# Allegro board BeagleBone_AI-64_Rev_B1_PCB_220602.brd (continued)
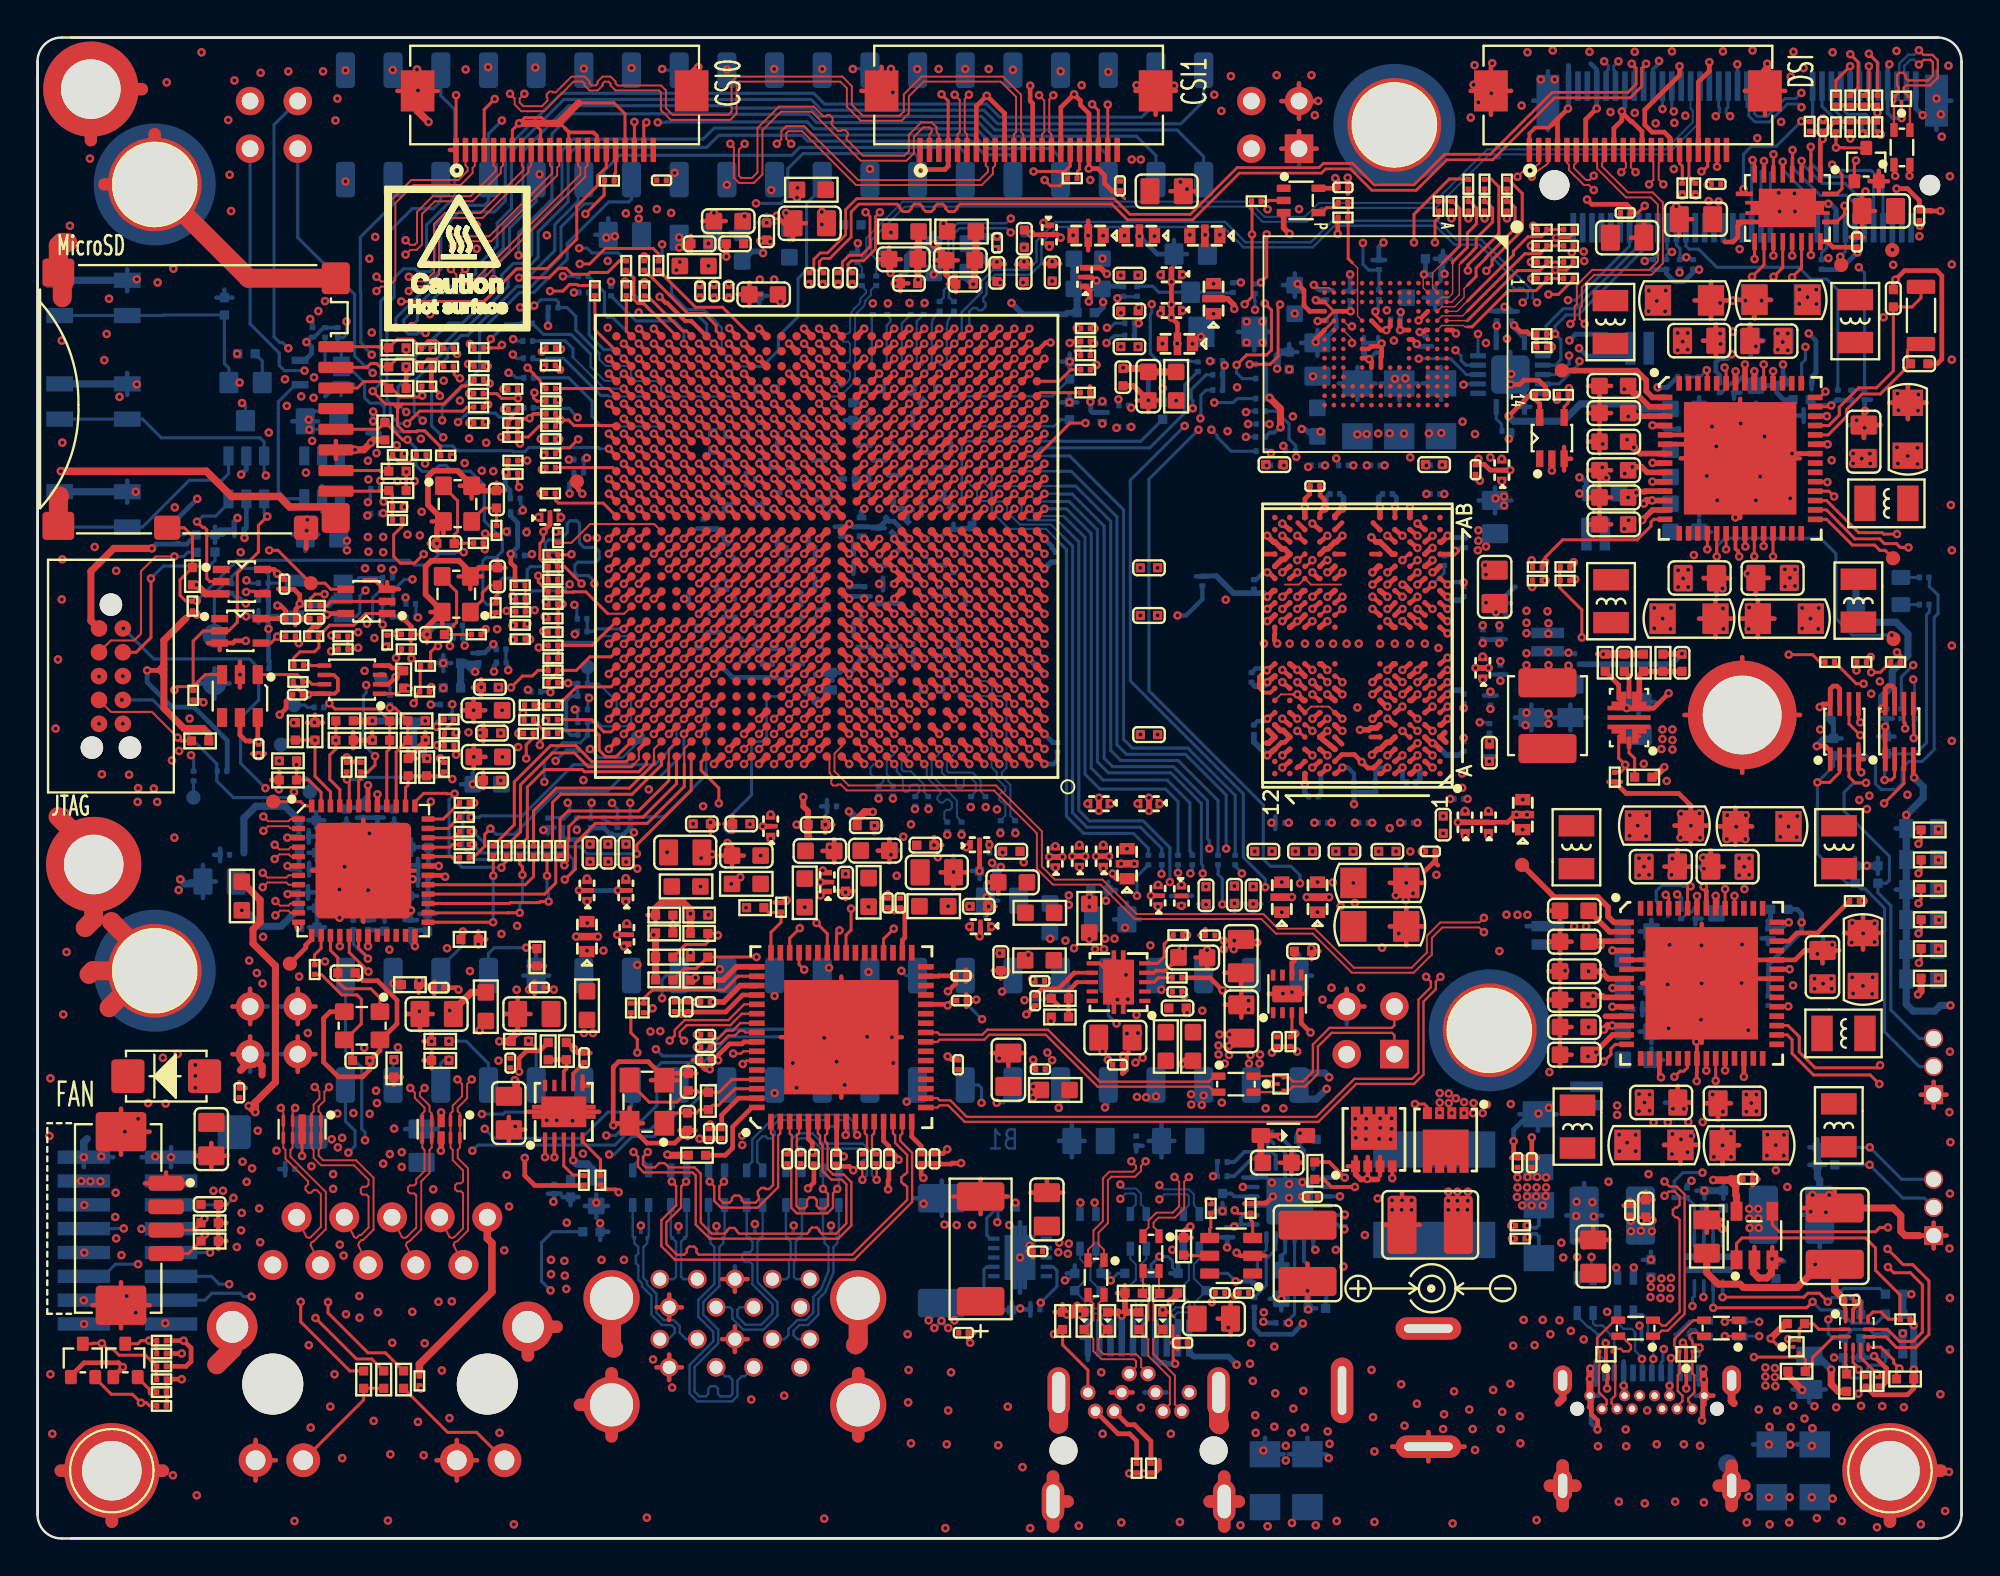
[diagram p0: board, top side]
## Routing (per net, layer and track width the routed paths; a pad name or vN(x,y) marks a point on that pad's centre or on a via; arc(x,y) is an arc through that point) (continued)
  BOTTOM w0.13: L30.1 v1(82.02,15)
USBC_SS_TX1_CONN_N: length 4.1
  BOTTOM w0.13: L28.2 87.99,11.59 D45.2 87.26,10.58 87.22,10.54 87.22,10.08 87.5,9.8 J5.A3 87.5,8.77
USBC_SS_TX1_CONN_P: length 4.1
  BOTTOM w0.13: 88,8.77 J5.A2 88,9.45 88.21,9.67 88.44,9.67 88.53,9.76 88.53,10 88.4,10.13 88.28,10.13 88.15,10.26 88.15,10.66 D45.3 87.94,11.02 88.07,11.15 88.31,11.15 88.71,10.74 L28.3
USBC_SS_TX1_N: length 94.3
  L12-SIGNAL w0.122: v1(91.72,11.55) 91.51,11.35 91.11,11.35 90.83,11.62 90.83,13.05 90.12,13.76 89.15,13.76 88.14,14.77 88.14,15.89 86.36,17.67 84.38,17.67 82.73,19.32 82.73,23.33 82.19,23.87 82.19,30.4 80.03,32.56 80.03,49.7 79.12,50.61 79.12,57.36 78.2,58.28 76.55,58.28 73.48,61.36 71.08,61.36 68.98,63.45 68.98,65.03 68.47,65.55 67.65,65.55 65.16,68.04 58.32,68.04 57.35,69 55.9,69 54.58,67.68 53.78,67.68 53.71,67.61 48.94,67.61 48.04,66.72 47.03,66.72 46.71,66.4 46.71,66.11 v1(46.45,65.85)
  BOTTOM w0.13: L28.1 90.96,11.59 91.01,11.55 v1(91.72,11.55)
USBC_SS_TX1_P: length 94.2
  L12-SIGNAL w0.122: v1(91.72,10.79) 91.44,11.07 90.99,11.07 90.55,11.51 90.55,12.93 90,13.48 89.04,13.48 87.86,14.66 87.86,15.78 86.24,17.39 84.26,17.39 82.45,19.2 82.45,23.22 81.91,23.75 81.91,30.28 79.75,32.44 79.75,49.59 78.84,50.5 78.84,57.25 78.08,58 76.44,58 73.36,61.08 70.97,61.08 68.7,63.34 68.7,64.92 68.35,65.27 67.54,65.27 65.04,67.76 58.2,67.76 57.24,68.72 56.02,68.72 54.7,67.4 53.89,67.4 53.82,67.33 49.05,67.33 48.88,67.16 48.88,66.99 48.94,66.94 48.94,66.76 48.76,66.59 48.59,66.59 48.54,66.64 48.36,66.64 48.16,66.44 47.14,66.44 46.99,66.29 46.99,66.11 v1(47.25,65.85)
  BOTTOM w0.13: L28.4 90.94,10.74 90.98,10.79 v1(91.72,10.79)
USBC_SS_TX2_CONN_N: length 5.6
  TOP w0.13: J5.B3 83.86,7.2 83.86,7.42 84.05,7.61 84.05,9.82 D43.2 83.89,10.02 83.98,10.11 84.34,10.11 84.48,9.97 84.76,9.97 84.89,10.1 84.89,10.29 84.38,10.79 L29.2
USBC_SS_TX2_CONN_P: length 5.6
  TOP w0.13: L29.3 84.03,11.64 83.08,10.68 83.08,10.1 D43.3 83.21,9.21 83.18,9.18 83.18,7.79 83.59,7.38 83.59,7.16 J5.B2
USBC_SS_TX2_N: length 96.7
  TOP w0.13: L29.1 86.23,10.79 86.52,11.08 86.85,11.08 87.74,11.97 87.74,18.34 87.32,18.76 86.94,18.76 v1(86.67,19.03)
  L12-SIGNAL w0.122: v1(86.67,19.03) 86.43,18.79 84.96,18.79 83.67,20.08 83.67,23.69 84.71,24.73 84.71,29.89 83.39,31.21 82.68,31.21 81.15,32.73 81.15,52.34 80.16,53.33 80.16,58.03 78.89,59.3 77.08,59.3 73.88,62.5 72.23,62.5 70.84,63.89 70.84,65.45 67.36,68.93 61.14,68.93 59.21,70.85 53.31,70.85 52.56,70.1 52.11,70.1 v1(51.85,70.35)
  BOTTOM w0.13: C143.2 48.28,66.16 48.28,66.54 48.52,66.78 48.52,69.62 49.01,70.1 51.6,70.1 v1(51.85,70.35)
USBC_SS_TX2_P: length 96.6
  TOP w0.13: v1(86.67,18.27) 86.9,18.5 87.21,18.5 87.48,18.23 87.48,17.77 87.35,17.64 87.25,17.64 87.12,17.51 87.12,17.25 87.25,17.12 87.35,17.12 87.48,16.99 87.48,12.08 86.74,11.35 86.54,11.35 86.24,11.64 L29.4
  L12-SIGNAL w0.122: v1(86.67,18.27) 86.43,18.51 84.85,18.51 83.39,19.97 83.39,23.81 84.43,24.85 84.43,29.77 83.27,30.93 82.56,30.93 80.87,32.62 80.87,52.23 79.88,53.22 79.88,57.91 78.77,59.02 76.96,59.02 73.76,62.22 72.11,62.22 70.56,63.77 70.56,65.34 68.69,67.2 68.52,67.2 68.49,67.18 68.32,67.18 68.15,67.35 68.15,67.52 68.17,67.55 68.17,67.72 68,67.9 67.83,67.9 67.8,67.87 67.63,67.87 67.45,68.04 67.45,68.22 67.48,68.24 67.48,68.42 67.25,68.65 61.02,68.65 59.1,70.57 55.84,70.57 55.64,70.37 55.35,70.37 55.15,70.57 54.86,70.57 54.66,70.37 54.37,70.37 54.17,70.57 53.43,70.57 52.68,69.82 52.04,69.82 v1(51.84,69.61)
  BOTTOM w0.13: v1(51.84,69.61) 51.61,69.84 49.12,69.84 48.79,69.51 48.79,66.67 48.55,66.43 48.55,66.16 48.78,65.93 C132.2
USD_PWR_EN: length 7.9
  BOTTOM w0.165: U5.3 13.23,55.42 12.82,55.82 12.82,60.58 13.74,61.5 U6.4
USER_PB: length 170.6
  TOP w0.165: U27.2 v1(80.67,56.92) ; v1(7.29,45.23) 7.47,45.41 8.29,45.41 ; 8.29,45.41 8.29,47.83 8.84,48.38 U11.2 10.18,48.38 10.64,48.84 10.64,51.45 11.77,52.58 11.77,54 v1(12.24,54.47) ; 8.29,45.41 8.93,46.04 U10.3 ; 8.29,45.41 R162.2
  L5-SIGNAL w0.102: v1(11.81,17.59) 11.81,17.19 12.9,16.09 16.57,16.09 16.66,16.18 18.43,16.18 18.48,16.14 24.79,16.14 25.88,17.24 54.43,17.24 56.27,15.4 59.92,15.4 60.49,14.82 64.39,14.82 65.58,16.02 70.23,16.02 71.42,14.82 78.64,14.82 79.22,15.41 79.75,15.41 80.08,15.74 80.08,16.27 80.49,16.68 83.34,16.68 84.51,17.85 86.92,17.85 87.32,18.25 87.32,19.32 87.75,19.75 88.03,19.75 89.38,21.1 89.38,22.55 87.75,24.17 86.37,24.17 84.78,25.76 84.78,32 81.15,35.63 81.15,47.32 81.23,47.4 81.23,56.37 v1(80.67,56.92)
  L10-SIGNAL w0.102: v1(11.81,17.59) 11.81,20.16 10.13,21.84 10.13,28.79 10.31,28.97 10.31,32.15 8.89,33.57 8.89,42.36 7.29,43.96 v1(7.29,45.23)
  BOTTOM w0.165: v1(12.24,54.47) 12.07,54.64 U8.4
VCAP_MCU_VDDS0: length 0.6
  TOP w0.305: v1(35.23,48.48) 35.63,48.88 U19.K23
VCAP_MCU_VDDS1: length 0.6
  TOP w0.305: v1(39.23,47.68) 39.63,48.08 U19.J18
VCAP_MCU_VDDS2: length 0.6
  TOP w0.305: v1(38.43,47.68) 38.83,48.08 U19.J19
VCAP_VDDS0: length 0.6
  TOP w0.305: v1(48.84,54.88) 48.44,54.48 U19.U7
VCAP_VDDS1: length 0.6
  TOP w0.254: U19.AB21 37.23,58.49 v1(36.83,58.89)
VCAP_VDDS2: length 0.6
  TOP w0.305: v1(39.24,57.29) 39.64,56.89 U19.Y18
VCAP_VDDS3: length 0.6
  TOP w0.254: U19.W21 v1(36.83,56.49)
VCAP_VDDS4: length 0.6
  TOP w0.254: v1(36.03,58.09) 36.44,57.68 U19.AA22
VCAP_VDDS5: length 0.6
  TOP w0.305: U19.R22 36.43,52.88 v1(36.03,52.48)
VCAP_VDDS6: length 0.6
  TOP w0.254: v1(36.04,55.69) 36.05,55.69 36.45,55.29 U19.V22
VDA_DLL_0V8: length 1.9
  TOP w0.305: v1(84.96,57.12) 85.46,57.12 85.75,56.83 86.7,56.83 U30.9
  TOP w0.381: FL26.1 v1(60.66,60.65)
  BOTTOM w0.381: FL3.1 v1(56.73,68.22)
  vias: v1(54.94,34.28) v1(54.94,33.77) v1(84.55,56.76)
VDA_MCU_1V8: length 36.9
  TOP w0.203: R330.1 79.62,51.06 v1(79.62,50.72)
  TOP w0.305: U19.P22 36.43,52.08 36.03,51.68 v1(36.03,51.68) ; U30.7 86.7,57.83 85.37,57.83 C491.1 ; U19.N22 36.43,51.28 v1(36.03,50.88) ; v1(35.23,50.08) 35.63,50.48 U19.M23 ; U19.G18 39.63,46.48 v1(39.23,46.08) ; v1(36.83,51.68) 36.83,51.68 37.23,52.08 U19.P21
  TOP w0.381: v1(36.03,46.88) 36.43,47.28 U19.H22
  L3-SIGNAL w0.254: v1(86.31,61.36) 86.31,60.67 85.39,59.76 85.39,59.27 v1(84.68,58.56)
  L8-PWR/GND w0.381: v1(86.31,61.36) 85.72,61.95 79.71,61.95 77.67,59.91 77.67,59.2 75.97,57.5 75.97,56.28 77.85,54.4 77.85,52.49 v1(79.62,50.72)
  BOTTOM w0.203: C265.1 36.24,47.09 36.22,47.07 ; C237.1 39.37,45.94 v1(39.23,46.08) ; 36.17,50.75 36.2,50.72 C264.1 ; R20.1 87.35,61.91
  BOTTOM w0.254: 36.23,47.07 36.22,47.07 v1(36.03,46.88) 37.02,45.9 C237.1 ; 87.35,61.91 87.35,61.89 86.82,61.36 v1(86.31,61.36) ; 36.17,50.75 36.17,50.75 36.17,50.59
  BOTTOM w0.305: 36.17,50.59 36.17,50.75 v1(36.03,50.88)
  vias: v1(24.57,45.37) v1(24.68,42.93) v1(24.68,40.41) v1(24.75,44.15) v1(24.76,41.66) v1(85.04,58.16)
VDA_PLL_1V8: length 10.6
  TOP w0.305: v1(38.5,69.16) 38.55,69.2 C366.1 ; v1(44.84,49.28) U19.L12 ; U19.W15 42.04,56.08 v1(41.64,56.49) ; v1(44.84,52.48) 45.24,52.88 U19.R11 ; v1(40.04,56.49) 40.44,56.09 U19.W17 ; v1(82.63,30.23) 83.27,30.23 v1(83.31,30.19) 83.66,29.84 U29.7 ; U19.H9 v1(47.24,46.88) ; v1(39.24,56.49) 39.64,56.09 U19.W18 ; v1(40.03,50.08) 40.44,50.48 U19.M17 ; v1(47.24,51.68) 46.84,52.08 U19.P9 ; U19.Y20 v1(37.63,57.29) ; v1(36.83,52.48) 37.23,52.88 U19.R21
  BOTTOM w0.203: C239.1 39.52,56.28 ; v1(36.83,52.48) 36.99,52.32 C258.1 ; v1(38.5,69.16) 38.55,69.2 C366.1
  BOTTOM w0.254: 39.52,56.28 39.44,56.28 v1(39.24,56.49)
  BOTTOM w0.305: v1(38.65,68.51) 38.63,68.51 38.63,68.6 38.06,68.6 C254.1
  vias: v1(5.36,40) v1(5.33,39.26) v1(6.2,39.97) v1(6.37,39.26) v1(37.67,70.48) v1(39.04,69.13)
VDA_USB_3V3: length 148.6
  TOP w0.254: 46.04,58.49 U19.AB10 46.04,58.49 v1(46.44,58.89)
  TOP w0.305: 83.52,27.84 U29.11
  L5-SIGNAL w0.159: 40.99,65.33 41.23,65.09 41.23,57.94 41.47,57.7 45.8,57.7 46.03,57.92 46.03,58.47 v1(46.44,58.89)
  L5-SIGNAL w0.381: 40.99,65.33 40.38,65.93 v1(39.57,65.93)
  L8-PWR/GND w0.381: v1(82.63,27.26) 82.63,26.94 82.96,26.61 83.06,26.51 85.04,26.51 87.53,29 91.59,29 92.81,30.22 92.81,30.55 93.11,30.85 93.11,30.88 93.29,30.88 100.53,38.12 100.53,54.09 98.32,56.3 98.32,61.31 101.27,64.25 101.27,70.1 100.35,71.01 98.42,71.01 97.58,70.17 91.79,70.17 90.02,71.95 90.02,73.58 88.44,75.15 88.44,76.04 87.63,76.85 80.59,76.85 74.22,70.48 72.01,70.48 70.76,71.72 65.35,71.72 64.44,70.81 60.81,70.81 60.27,71.34 48.05,71.34 44.65,67.94 40.76,67.94 39.94,67.11 39.94,66.3 v1(39.57,65.93)
  BOTTOM w0.203: C170.1 46.08,58.53 46.1,58.54
  BOTTOM w0.254: 46.1,58.53 46.1,58.54 v1(46.44,58.89)
  BOTTOM w0.381: v1(39.57,65.93) 39.37,66.13 C240.1
VIO_VIN: length 51.5
  TOP w0.203: v1(80.95,60.7) 80.97,60.72 80.97,60.82 81,60.85 81,60.96 R337.1
  TOP w0.305: U29.48 v1(89.4,34.25) ; v1(91.46,62.22) 91.45,62.21 U30.48
  L3-SIGNAL w0.381: v1(89.4,34.25) 89.39,34.26 89.39,38.87 90.17,39.64 93.11,39.64 94.26,40.78 94.26,47.26 93.42,48.1 93.42,49.84 94.38,50.81 94.38,51.88 92.76,53.51 92.76,60.92 v1(91.46,62.22)
  L10-SIGNAL w0.254: v1(91.46,62.22) 91.46,61.75 89.96,60.25 82.19,60.25 81.74,60.7 v1(80.95,60.7)
  BOTTOM w0.203: R7.2 92.65,61.55
  BOTTOM w0.254: v1(91.46,62.22) 91.54,62.14 C15.1 92.55,61.45 92.65,61.55 92.65,61.07 93.02,60.7 R6.1
  BOTTOM w0.381: v1(89.4,34.25) 89.44,34.21 C20.1
VMON_VEXT: length 15.7
  TOP w0.229: U19.V19 v1(38.43,55.69)
  TOP w0.254: v1(29.02,55.68) 29.02,55.68 29,55.68 29,55.72 28.98,55.72 28.81,55.89 28.81,55.94 28.73,56.02 TP8.1
  L12-SIGNAL w0.152: v1(38.43,55.69) 38.83,56.08 38.83,58.24 38.57,58.49 36.7,58.49 36.42,58.22 36.42,57.93 36.17,57.67 35.87,57.67 35.62,57.42 35.62,57.12 35.37,56.87 35.07,56.87 34.82,56.62 34.82,56.32 34.59,56.1 29.89,56.1
  L12-SIGNAL w0.254: 29.89,56.1 29.48,55.68 v1(29.02,55.68)
VMON_VSYS: length 17.3
  TOP w0.254: U19.M26 32.84,50.08 v1(32.83,50.08)
  L5-SIGNAL w0.152: v1(32.83,50.08) 33.23,49.69 33.23,49.12 33,48.89 32.67,48.89 32.44,48.66 32.44,48.28 32.24,48.08 30.25,48.08
  L5-SIGNAL w0.254: 30.25,48.08 29.55,48.08 28.24,46.78 23.9,46.78 v1(23.32,46.19)
  BOTTOM w0.203: 23.29,46.66 23.31,46.68 C286.1
  BOTTOM w0.254: 23.29,46.66 23.29,46.22 v1(23.32,46.19) 23.32,46.3 23.5,46.48 23.5,46.66 23.29,46.66 ; 23.29,46.66 23.03,46.66 23.03,46.66 22.8,46.66
  BOTTOM w0.381: R142.2 R141.1 22.8,46.66 23.26,46.19 v1(23.32,46.19)
VOUT_LM5141: length 10.6
  TOP w0.203: 78.71,16.68 v1(78.51,16.68)
  L5-SIGNAL w0.203: v1(78.51,16.68) 78.33,16.5 72.57,16.5 72.03,17.03 69.87,17.03 v1(69.64,17.26)
  BOTTOM w0.203: U3.17 69.62,17.24 v1(69.64,17.26) 69.64,17.16
VPP_EFUSE: length 28.1
  TOP w0.254: U19.F17 v1(40.04,45.28) ; U19.AB11 45.64,58.88 v1(45.64,58.89)
  L12-SIGNAL w0.102: v1(45.64,58.89) 45.24,58.49 43.76,58.49 43.28,58 43.28,54.73 43.64,54.36 43.64,48.33 43.4,48.09 43.09,48.09 42.03,47.03 42.03,46.72 41.79,46.47 41.47,46.47 41.23,46.23 41.23,45.92 40.99,45.68 40.44,45.68 v1(40.04,45.28)
  BOTTOM w0.137: 38.04,41.1 38.04,42.25 38.27,42.48 38.6,42.48 38.83,42.72 38.83,44.65 39.07,44.88 39.64,44.88 v1(40.04,45.28)
  BOTTOM w0.165: 38.04,41.1 38.04,39.63 36.9,38.5 TP2.1
VRTC_LEOA_1V8: length 2
  TOP w0.305: U30.3 86.7,59.83 85.83,59.83 85.82,59.82 85.26,59.82 85.24,59.8 v1(84.74,59.8)
VRTC_LEOB_1V8: length 17.5
  TOP w0.254: 97.07,33.98 v1(97.27,33.98)
  TOP w0.305: 83.06,31.81 83.11,31.81 83.14,31.84 U29.3 ; 83.06,31.81 C483.1 ; 83.06,31.81 v1(83.26,31.61)
  L10-SIGNAL w0.254: v1(97.27,33.98) 96.8,33.98 95.07,32.25 83.89,32.25 v1(83.26,31.61)
VSYS_3V3: length 77.2
  TOP w0.203: C320.1 15.05,49.02 ; U9.2 v1(27.53,20.31) ; 13.2,49.47 13.22,49.45 C318.1 ; 13.62,45.56 14.13,45.04 14.13,44.97 ; 13.62,45.56 R171.1 ; 13.62,45.56 13.59,45.58 13.59,45.66 ; R162.1 8.29,44.66 ; C543.1 60.08,30.27 59.59,30.27 59.47,30.15 U18.4 ; U14.8 15.83,45.03 16,45.19 16,45.81 15.79,46.03 U14.6 ; C481.1 79.78,60.96 ; C316.1 11.77,42.36 ; 79.27,16.68 v1(79.37,16.68) ; C317.1 13.07,51.12 v1(12.77,51.43) ; R173.1 14.43,48.09 ; U9.1 v1(27.03,20.33)
  TOP w0.254: 12.81,51.43 12.88,51.43 13.16,51.15 ; 12.81,51.43 12.82,51.44 12.6,51.65 U12.5 ; 12.81,51.43 v1(12.77,51.43) ; v1(11.77,42.5) 11.3,42.5 11.29,42.51 11.1,42.51 10.78,42.83 U10.5 ; v1(11.77,42.5) 11.73,42.54 U10.6 ; v1(11.77,42.5) 11.77,42.36 ; U29.17 86.4,24.66 v1(86.48,24.58) ; U29.26 v1(90.9,24.61) ; v1(78.37,59.82) 79.51,60.96 79.78,60.96 79.78,60.73 80.02,60.48 U27.5 ; 62.5,17.87 v1(62.38,18) ; U14.8 14.46,45.03 v1(14.4,44.97) C319.1 ; 14.43,48.09 14.43,48.33 14.68,48.58 14.91,48.58 15.05,48.72 15.05,49.02 15.19,49.02 v1(15.42,49.24) 15.52,49.24 15.57,49.3 U16.5 ; 8.29,44.66 8.74,44.66 v1(8.84,44.57) ; v1(67.82,26.97) 67.32,27.46 U23.4 ; v1(12.78,49.72) 12.94,49.72 13.2,49.47 13.2,49.02 12.81,49.02 12.8,49.03 U11.5
  TOP w0.305: U30.10 86.04,56.32 v1(86.03,56.33) ; U30.4 86.04,59.32 v1(86.03,59.33) ; U30.12 86.03,55.32 v1(86.02,55.33) ; U29.4 v1(83.9,31.34) ; U29.10 v1(83.89,28.34) ; U29.12 v1(83.89,27.34) ; v1(86.04,57.33) 86.05,57.32 U30.8 ; U29.8 v1(83.91,29.34)
  TOP w0.381: v1(83.89,27.34) 83.66,27.34 v1(83.44,27.12) ; C543.1 60.78,31.24 v1(61.01,31.46) ; v1(60.98,25.29) 61.15,25.46 FL11.1 ; v1(85.57,55.16) 85.74,55.33 v1(86.02,55.33)
  L5-SIGNAL w0.381: v1(67.82,26.97) 67.36,27.42 64.06,27.42 v1(63.5,26.86)
  L10-SIGNAL w0.381: v1(60.98,25.29) 60.98,27.42 60.53,27.88 60.53,30.98 v1(61.01,31.46)
  L12-SIGNAL w0.381: v1(21.61,45.33) 21.61,45.47 21.16,45.91 19.79,45.91 19.28,46.42 17.96,46.42 17.93,46.45 17.93,46.46 17.63,46.75 13.94,46.75 13.38,47.31 13.38,49.12 v1(12.78,49.72)
  BOTTOM w0.203: v1(11.02,53.33) 11,53.36 C310.1 ; R35.2 79.98,16.7 79.84,16.56 79.5,16.56 v1(79.37,16.68) ; R47.1 65.95,11.49
  BOTTOM w0.254: v1(16.48,53.18) 16.3,53.18 16.05,53.43 C300.1 ; v1(86.03,59.33) 86.5,59.33 86.71,59.13 87.4,59.13 ; 84.96,28.22 84.58,28.22 84.46,28.34 v1(83.89,28.34) ; 93.21,61.55 93.21,61.74 92.99,61.97 v1(92.99,62.58) ; v1(11.02,53.33) 11.02,53.76 11.12,53.86 U8.5 ; v1(65.3,11.55) 65.36,11.49 65.95,11.49
  BOTTOM w0.381: C25.1 85.45,60.21 85.18,60.48 82.2,60.48 81.28,59.55 78.64,59.55 v1(78.37,59.82) ; v1(85.57,55.16) 85.74,55.33 v1(86.02,55.33) ; R142.1 v1(21.61,45.33)
  vias: v1(8.41,25.24) v1(8.41,24.65) v1(8.41,24.02) v1(16.48,52.67) v1(62.96,26.86) v1(62.91,26.28) v1(62.91,25.8) v1(63.24,25.32) v1(63.47,26.25) v1(63.47,25.77) v1(65.33,12.06) v1(78.84,19.24) v1(78.84,18.71) v1(78.81,18.2) v1(79.09,17.75) v1(79.37,19.27) v1(79.35,18.71) v1(79.35,18.23) v1(79.6,17.75) v1(79.88,19.27) v1(79.86,18.71) v1(79.83,18.23) v1(80.19,17.75) v1(80.36,19.24) v1(80.36,18.71) v1(80.34,18.25) v1(85.32,36.26) v1(85.32,35.35) v1(85.32,23.69) v1(85.32,22.78) v1(85.58,35.81) v1(85.6,23.24) v1(85.85,36.26) v1(85.85,35.37) v1(85.88,23.66) v1(85.88,22.8) v1(86.56,43.12) v1(86.56,42.61) v1(86.51,42.08) v1(87.09,43.12) v1(87.09,42.56) v1(87.09,42.05) v1(87.37,64.25) v1(87.37,63.34) v1(87.4,51.6) v1(87.4,50.72) v1(87.64,63.8) v1(87.67,51.17) v1(87.91,64.25) v1(87.91,63.36) v1(87.93,51.63) v1(87.93,50.72) v1(88.24,52.42) v1(90.65,36.26) v1(90.65,35.35) v1(90.92,35.81) v1(90.93,34.61) v1(91.03,23.66) v1(91.03,22.75) v1(91.18,36.26) v1(91.18,35.37) v1(91.3,23.21) v1(91.56,23.66) v1(91.56,22.78) v1(92.71,64.23) v1(92.71,63.36) v1(92.97,63.77) v1(93.09,51.65) v1(93.09,50.74) v1(93.24,64.23) v1(93.24,63.34) v1(93.36,51.2) v1(93.52,29.48) v1(93.62,51.65) v1(93.62,50.77) v1(94.66,29.84) v1(94.66,29.3) v1(95.12,29.57) v1(95.58,57.47) v1(95.55,29.84) v1(95.58,29.3) v1(96.72,57.83) v1(96.72,57.29) v1(97.18,57.56) v1(97.61,57.83) v1(97.64,57.29)
VSYS_5V0: length 113
  TOP w0.203: R384.1 6.88,10.55 ; 96.28,12.29 96.32,12.26 U21.12 ; 96.28,12.29 C547.1 ; 96.28,12.29 96.26,12.32 96.26,12.7 ; R385.1 6.88,9.17 ; U9.4 v1(28.53,20.16)
  TOP w0.254: 96.11,12.87 96.26,12.72 96.26,12.7 ; 6.88,9.17 7.91,9.17 8.18,9.44 8.18,10.15 v1(7.78,10.55) 6.88,10.55
  TOP w0.381: R399.1 88.92,14.16 89.53,13.55 90.7,13.55 90.87,13.38 93.75,13.38 94.45,14.07 95.2,14.07 C546.1
  TOP w0.406: 96.11,12.87 95.74,13.24 C546.1 v1(94.7,14.61)
  L3-SIGNAL w0.254: v1(72.03,37.86) 72.03,38.35 72.59,38.9 73.25,38.9 76.3,41.95 77.42,41.95 77.84,42.37 77.84,44.4 77.58,44.66 77.1,44.66 76.16,45.59 76.16,49.69 77.72,51.25 77.72,53.66 76.07,55.31 76.07,57.6 77.42,58.94 77.42,63.08 v1(78.28,63.95)
  L3-SIGNAL w0.406: v1(94.7,14.61) 93.63,14.61 v1(91.69,16.55)
  L5-SIGNAL w0.254: v1(11.86,15.79) 11.16,15.09 10.63,15.09 8.18,12.64 8.18,10.94 v1(7.78,10.55)
  L10-SIGNAL w0.254: v1(64.1,66.95) 64.69,66.36 66.85,66.36 67.69,65.52 68.48,65.52 68.96,66.01 75.61,66.01 77.67,63.95 v1(78.28,63.95)
  L12-SIGNAL w0.254: v1(59.87,29.25) 60.5,29.89 68.88,29.89 71.88,32.88 71.88,36.41 71.91,36.44 71.91,37.27 72.03,37.39 v1(72.03,37.86)
  L12-SIGNAL w0.381: v1(97,7.71) 96.31,8.4 96.31,13 v1(94.7,14.61)
  BOTTOM w0.203: R394.1 98.04,8.09 ; R56.1 64.82,12.3 ; P9.7 v1(59.58,23.57) ; U3.15 v1(69.38,18.24) ; R58.2 63.68,66.95
  BOTTOM w0.254: 64.82,12.3 64.82,11.22 65.15,10.89 66.85,10.89 67.08,11.11 67.08,11.13 v1(67.41,11.46) ; v1(97,7.71) 97.38,8.09 98.04,8.09 ; 63.68,66.95 v1(64.1,66.95)
  BOTTOM w0.406: C421.1 29.77,19.47 29.28,19.96 28.85,19.96 28.83,19.98 28.71,19.98 28.68,20.01 v1(28.53,20.16)
  vias: v1(9.37,18.53) v1(9.88,18.53) v1(15.67,21.28) v1(16,20.84) v1(16.23,21.35) v1(54.38,15.26) v1(54.43,15.76) v1(54.94,15.71) v1(54.89,15.18) v1(58.57,23.54) v1(59.05,23.51) v1(75.16,18.48) v1(75.16,18) v1(75.16,17.52) v1(75.64,18.48) v1(75.64,18) v1(75.66,17.52) v1(76.17,17.52) v1(76.2,18.48) v1(76.2,18) v1(84.88,16.93) v1(84.88,16.37) v1(85.42,16.93) v1(85.42,16.4) v1(86.03,16.96) v1(86,16.37) v1(91.18,17.57) v1(91.18,17.06) v1(91.21,16.55) v1(91.67,17.57) v1(91.67,17.06)
VSYS_IO_1V8: length 53.2
  TOP w0.152: U26.P3 U26.N4 68.83,65.18 U26.P5
  TOP w0.203: 97.31,75.52 97.3,75.51 R364.1 ; R303.1 55.55,63.79 ; R322.1 75.32,70.73 ; R366.1 98.02,76.38 ; R336.1 79.87,67.16 ; R331.1 79.86,64.2 ; R328.1 78.28,70.73 ; 97.31,76.38 97.3,76.39 R363.1 ; R332.1 79.86,63.49 ; R357.2 94.41,74.98 ; 95.12,74.98 C522.1 95.23,75.01 95.74,75.52 95.81,75.52 R359.1 ; R367.1 98.02,75.52 ; R360.1 96.57,76.39 ; R361.1 96.54,75.52 ; R358.1 95.81,76.38 ; R335.1 79.87,68.03 ; 69.26,72.02 C462.1 69.29,72.36 v1(69.14,72.51) ; R324.1 76.22,70.73 ; R326.1 77.09,70.73 ; 79.87,69.77 79.88,69.77 R333.1 ; R334.1 79.87,68.9 ; R320.1 69.26,70.41
  TOP w0.254: v1(79.68,69.97) 79.87,69.77 79.87,69.77 ; v1(73.63,64.3) 73.66,64.33 73.86,64.33 73.94,64.41 U26.C6 ; U26.P5 68.22,64.91 v1(68.2,64.89) ; U26.N4 U26.M4 v1(69.95,65.41) ; 78.28,70.73 v1(78.28,70.36) ; 79.87,68.03 v1(79.56,68.03) ; C338.1 v1(26.69,54.43) ; C338.3 v1(27.89,54.43) ; 55.55,63.79 55.06,63.79 v1(54.99,63.72) ; U26.P3 68.19,65.91 v1(68.1,66.01) ; 79.87,68.9 v1(79.55,68.9) ; 75.32,70.73 v1(75.32,70.36) ; U24.5 69.22,71.97 69.26,72.02 69.26,72.36 69.14,72.48 v1(69.14,72.51) ; 69.26,70.41 v1(69.26,69.54) ; v1(78.66,64.66) 79,64.32 79.34,64.32 79.46,64.2 79.86,64.2 79.86,63.49 ; 94.41,74.98 95.12,74.98 95.12,74.61 v1(95.1,74.59) 94.97,74.47 U32.2 ; 76.22,70.73 v1(76.22,70.36) ; 79.87,67.16 v1(79.58,67.16) ; 95.81,76.38 98.02,76.38 v1(98.02,75.99) 98.02,75.52 95.81,75.52 ; 77.09,70.73 v1(77.09,70.36)
  TOP w0.305: v1(37.64,54.89) 38.04,54.49 U19.U20 ; v1(48.84,57.29) 48.44,56.89 U19.Y7 ; v1(48.84,58.89) 48.44,58.49 U19.AB7 48.04,58.09 v1(48.04,58.09) 47.64,57.69 U19.AA8 ; v1(36.03,54.88) 36.43,54.48 U19.U22
  L3-SIGNAL w0.381: v1(73.63,64.3) 74.29,64.3 74.6,64.61 74.6,65.24 73.87,65.97 70.51,65.97 70.44,65.9 v1(69.95,65.41) ; v1(78.38,58.61) 77.86,59.14 77.86,62.74 78.95,63.83 78.95,64.37 v1(78.66,64.66)
  L8-PWR/GND w0.381: v1(69.95,65.41) 68.72,65.41 v1(68.2,64.89)
  L12-SIGNAL w0.254: v1(78.66,64.66) 78.12,65.21 77.97,65.21 77.71,65.47 77.71,66.76 78.11,67.16 v1(79.58,67.16)
  BOTTOM w0.152: C93.1 v1(66.97,65.29)
  BOTTOM w0.203: v1(68.1,66.01) 68.12,66.03 C84.1 ; C67.1 73.88,64.06 v1(73.63,64.3) ; C83.1 68.63,64.93 ; R36.1 78.55,59.03 ; C81.1 69.92,65.96 ; 35.51,54.36 35.48,54.33 C273.1 ; C48.1 78.52,64.8 v1(78.66,64.66) ; C110.1 v1(56.72,60.62) ; C110.3 v1(56.72,59.42)
  BOTTOM w0.254: 68.65,66 68.1,66 v1(68.1,66.01) ; U2.1 79.21,63.98 78.74,64.46 78.74,64.58 ; 78.74,64.58 v1(78.66,64.66) ; 78.74,64.58 78.74,64.65 78.52,64.87 ; 79.33,32.64 R33.2 ; 78.55,59.03 78.55,58.79 v1(78.38,58.61) ; 69.92,65.96 69.92,65.44 v1(69.95,65.41) ; 35.51,54.36 v1(36.03,54.88) ; 73.96,64.08 73.79,64.25 73.71,64.25 73.66,64.3 v1(73.63,64.3) ; v1(68.2,64.89) 68.23,64.93 68.63,64.93
  vias: v1(78.26,33.25) v1(78.84,33.24) v1(79.37,33.24) v1(97.05,39.36) v1(97.46,38.88) v1(97.58,39.59) v1(99.62,39.64)
VSYS_IO_3V3: length 287.3
  TOP w0.203: C523.2 96.92,68.57 v1(96.95,68.55) ; R231.1 v1(24.82,61.26) ; R381.1 99.77,11.69 ; R380.1 97.39,8.1 ; R163.1 29.99,18.82 30.2,18.61 30.81,18.61 v1(30.96,18.46) ; v1(23.54,27.07) 23.54,27.12 23.88,27.46 FL10.1 ; 6.88,7.79 6.87,7.8 R382.1 ; 6.88,7.79 6.88,7.07 R383.1 ; 6.88,7.79 6.88,8.49 R376.1 ; R374.1 6.88,9.86 ; 26.21,59.71 26.21,59.74 26.41,59.94 R258.1 ; 26.21,59.71 26.21,59.68 25.81,59.68 25.6,59.47 ; 26.21,59.71 v1(26.21,59.71) ; 25.05,56.74 25.05,56.81 25.02,56.84 ; 25.44,50.09 25.44,50.08 R241.1 ; 25.44,50.09 v1(25.3,50.23) ; 25.44,50.09 25.44,50.08 ; v1(28.26,45.59) 28.24,45.61 R268.1 ; C545.1 90.83,19.16 ; v1(79.6,52.14) 79.6,51.91 79.62,51.89 79.62,51.77 R329.1 ; C410.1 53.72,70 v1(53.59,70.12) ; 25.6,59.47 25.6,59.45 ; 25.6,59.47 25.58,59.45 R232.1 ; R270.1 26.99,48.31 v1(26.95,48.35) ; R169.1 13.76,48.09 ; v1(21.25,43.27) 21.28,43.27 21.28,43.37 21.37,43.37 21.65,43.65 R209.1 ; R272.1 27.07,44.41 27.02,44.37 27.02,44.32 26.7,44.32 26.7,44.35 v1(26.72,44.35) 26.66,44.42 R247.1 ; C410.3 v1(53.9,68.85) ; R161.1 8.25,49.42 ; R199.1 20.89,45.14 ; R235.1 25.05,57.45 ; C367.3 v1(39.05,38.59)
  TOP w0.254: v1(13.92,47.72) 13.76,47.88 13.76,48.09 ; v1(24.92,56.84) 25.02,56.84 25.02,56.86 25.05,56.89 25.05,57.45 ; 6.4,46.27 v1(5.84,46.27) ; 6.4,46.27 6.45,46.27 ; 6.4,46.27 6.73,46.6 ; 97.39,8.1 97.83,7.66 99.62,7.66 99.95,8 R82.1 ; C416.1 v1(56.77,69.44) ; 90.46,18.79 90.83,19.16 90.66,19.16 ; U26.F5 72.56,64.43 v1(72.59,64.41) U26.E6 ; U32.19 95.35,69.12 95.65,68.83 96.92,68.83 96.95,68.8 v1(96.95,68.55) ; U33.7 96,45.29 95.86,45.43 95.65,45.43 95.5,45.28 U33.8 95.11,44.48 v1(94.94,44.31) ; Q6.1 1.78,8.67 2.47,9.36 4.32,9.36 v1(4.54,9.14) 4.04,8.63 Q5.1 ; 6.45,46.27 6.68,46.27 6.73,46.32 ; 6.45,46.27 6.73,45.99 ; 7.91,49.05 8.25,49.39 8.25,49.42 8.28,49.42 8.46,49.24 v1(8.48,49.24) ; 20.89,45.14 20.89,45.3 v1(20.98,45.38) ; U26.J10 71.06,62.73 v1(70.94,62.86) 70.89,62.91 U26.K9 ; C416.3 v1(55.17,69.46) ; 6.88,9.86 v1(7.68,9.86) ; 61.03,32.16 v1(61.24,32.16) ; U31.7 98.93,45.3 98.78,45.45 98.58,45.45 98.43,45.29 U31.8 98.43,44.42 v1(98.25,44.24) ; C367.1 v1(39.05,37.29) ; v1(99.95,11.37) 99.77,11.55 99.77,11.69 ; 6.88,8.49 v1(7.68,8.49)
  TOP w0.305: v1(39.23,58.89) 39.63,58.49 U19.AB18 ; v1(36.03,50.08) 36.43,50.48 U19.M22 ; U19.W22 v1(36.04,56.48) ; v1(36.84,55.69) 37.24,55.29 U19.V21 ; U19.J20 38.03,48.08 v1(37.63,47.68) ; U19.U8 47.64,54.48 v1(48.04,54.88) ; v1(37.64,58.09) 38.04,57.69 U19.AA20 ; v1(37.63,59.69) 38.03,59.29 U19.AC20 ; v1(36.03,57.29) 36.43,56.89 U19.Y22 ; U19.V7 48.44,55.28 v1(48.84,55.68) ; v1(36.83,48.48) 37.23,48.88 U19.K21 ; U19.J22 36.43,48.08 v1(36.03,47.68) ; U19.AA21 v1(36.83,58.09) ; v1(36.83,46.88) 37.23,47.28 U19.H21 ; v1(36.03,49.28) 36.43,49.68 U19.L22 ; U19.AC19 38.84,59.29 v1(38.44,59.69) ; v1(40.84,58.89) 41.24,58.49 U19.AB16 ; v1(40.03,59.69) 40.44,59.29 U19.AC17 ; v1(40.03,58.09) 40.44,57.69 U19.AA17 ; U19.H19 38.83,47.28 v1(38.43,46.88) ; U19.AA19 v1(38.43,58.09)
  TOP w0.381: R82.1 99.95,9.01 v1(99.95,9.01) ; v1(66.22,59.23) 66.22,60.22 v1(65.63,60.8) ; R311.1 60.71,12.98 v1(60.37,12.64) ; v1(6.09,52.77) 4.06,52.77 2.84,51.55 2.84,48.91 3.25,48.51 J11.1 ; U34.5 90.51,18.27 90.46,18.32 90.46,18.79 ; v1(100.18,29) 100.34,29.16 R365.1 ; R287.1 R310.1 32.92,32.06 ; R286.1 v1(32.82,32.17) ; 7.91,49.05 6.73,47.87 6.73,44.26 7.81,43.17 8.84,43.17 9.12,42.89 R165.1
  TOP w0.406: v1(32.82,32.17) 32.92,32.06 ; 90.14,19.1 90.19,19.16 90.66,19.16 ; 90.14,19.1 90.46,18.79 90.46,18.79 ; 90.14,19.1 v1(89.27,19.1)
  L3-SIGNAL w0.127: 35.66,52.26 35.66,52.95 ; v1(36.03,57.29) 36.45,56.87 36.45,52.19 36.32,52.06 36.32,52.04
  L3-SIGNAL w0.381: v1(89.27,19.1) 90.4,17.97 90.4,14.93 91.39,13.94 96.62,13.94 98.8,11.75 99.56,11.75 v1(99.95,11.37) ; v1(65.63,60.8) 65.63,61.46 65.2,61.89 63.62,61.89 63.24,62.27 v1(63.24,62.53)
  L5-SIGNAL w0.254: v1(87.35,34.33) 87.35,33.85 87.86,33.34 93.47,33.34 v1(93.98,32.83) ; v1(28.26,45.59) 27.06,45.59 26.72,45.26 v1(26.72,44.35)
  L5-SIGNAL w0.381: v1(96.95,68.55) 96.52,68.11 96.52,65.85 95.6,64.94 92.07,64.94 v1(90.26,63.12) ; v1(25.7,65.62) 25.16,65.62 25.01,65.76 20.2,65.76 19.8,65.36 18.1,65.36 16.89,64.16 14.71,64.16 v1(14.32,63.77) 13.94,64.16 11.65,64.16 v1(10.63,63.14)
  L8-PWR/GND w0.381: v1(60.37,12.64) 56.51,16.5 53.49,16.5 v1(52.09,17.9)
  L9-PWR/GND w0.381: 94.89,44.37 94.26,45 94.23,45 ; 94.89,44.37 94.23,44.37 ; 94.89,44.37 v1(94.94,44.31) 94.77,44.31 94.23,43.78 ; 94.23,43.78 94.23,38.8 94.31,38.73 94.31,34.46 94.23,34.38 94.51,34.1 ; 94.23,43.78 94.23,44.37 ; 94.23,45 94.23,47.06 93.55,47.74 83.69,47.74 81.18,50.26 81.18,51.99 80.6,52.56 80.02,52.56 v1(79.6,52.14) ; 94.23,45 94.23,44.37
  L10-SIGNAL w0.254: v1(21.25,43.27) 21.25,43.74 21.39,43.88 21.39,44.87 20.98,45.28 v1(20.98,45.38)
  L10-SIGNAL w0.381: v1(32.82,32.17) 32.82,30.22 31.75,29.15 31.75,26.79 31.24,26.28 31.24,19.85 30.96,19.57 v1(30.96,18.46) ; v1(94.94,44.31) 95.48,44.31 95.55,44.24 v1(98.25,44.24) ; v1(63.24,62.53) 63.24,63.75 63.85,64.35 68.5,64.35 70,62.86 v1(70.94,62.86) 72.34,62.86 72.96,63.48 72.96,64.03 v1(72.59,64.41)
  L12-SIGNAL w0.381: v1(7.68,8.49) v1(7.68,9.86)
  BOTTOM w0.152: v1(36.83,66.07) 36.82,66.09 36.82,66.2
  BOTTOM w0.203: R147.1 18.93,51.21 ; R51.1 65.43,61.82 65.43,61.81 ; R106.1 30.15,37.89 30.17,37.87 ; R152.1 R153.1 15.25,64.54 14.74,64.03 C302.1 ; R111.1 28.76,45.56 28.76,44.91 ; C76.1 71.3,63.21 71.27,63.19 ; v1(98.25,44.24) 98.27,44.21 C510.1 ; R118.1 v1(28.31,57.51) ; R134.1 25.47,49.84 25.47,50.06 v1(25.3,50.23) ; 28.76,44.91 R112.1 ; 28.76,44.91 28.4,44.91 28.17,44.67 28.17,43.07 28.4,42.83 R115.1 ; C313.1 7.19,53.03 7.16,53 ; R63.1 63.12,62.02 63.15,61.99 ; C257.1 37.47,47.85 37.49,47.82 ; C78.1 70.66,63.14 v1(70.94,62.86) 71.27,63.19 ; R64.1 63.15,61.21 ; C241.1 38.62,46.69 38.6,46.72 ; C520.1 95.07,44.44 ; R23.1 87.55,33.56 ; v1(51.03,68.7) 51.03,68.7 51.11,68.78 ; R137.1 24.42,46.7 ; R65.1 63.15,62.76 ; R107.1 29.48,37.87 ; R155.1 12.31,50.03 ; 71.27,63.19 71.42,63.19 ; R5.1 95.04,67.63 ; C51.2 77.73,64.88 ; R229.1 12.34,46.37 ; R27.1 86.77,67.63 ; v1(26.95,48.35) 26.95,48.35 R124.1 ; 52.55,68.95 v1(52.55,68.8) ; R102.2 31.57,37.87 ; R21.1 87.86,18.7 ; R50.1 65.43,62.58 ; R15.1 89.61,61.62 ; v1(66.22,59.23) 66.14,59.23 66.14,59.2 65.88,58.94 65.63,58.94 65.43,58.74 65.43,58.72 R54.1 ; R10.1 92.21,28.95 ; R143.1 21.46,43.77 ; 88.34,67.63 88.31,67.65 R19.2 ; 25.82,65.62 v1(25.7,65.62) ; R121.1 27.96,37.87 ; C280.3 v1(24.99,53.67) ; R136.1 25.17,55.43 ; R75.1 58.45,64.78 ; R228.1 10.11,40.9 ; R28.1 86.06,67.63 ; R76.1 58.45,64.11 ; R85.1 v1(52.09,17.9) ; R139.1 22.11,48.01
  BOTTOM w0.254: 38.6,46.72 38.6,46.62 38.6,46.72 ; 38.6,46.72 v1(38.43,46.88) ; v1(90.26,63.12) 90.02,62.88 89.61,62.88 89.41,62.68 89.41,62.21 89.61,62 89.61,61.62 ; 18.93,51.21 18.93,51.48 18.95,51.5 v1(18.95,51.64) ; U6.5 14.24,62.8 14.6,63.16 14.6,63.52 14.34,63.77 v1(14.32,63.77) 14.58,64.03 C302.1 ; 12.34,46.37 12.34,46.77 12.3,46.81 v1(12.3,48.48) ; v1(65.63,60.8) 65.59,60.75 65.43,60.75 65.43,62.58 ; v1(12.3,48.48) 12.3,49.15 ; v1(12.3,48.48) 12.28,48.5 C309.1 ; 12.3,49.15 12.68,49.15 12.69,49.15 U7.4 ; 12.3,49.15 12.3,49.62 12.31,49.63 12.31,50.03 ; R160.1 7.96,53 6.32,53 v1(6.09,52.77) ; v1(5.84,46.27) 5.84,45.64 7.16,44.31 8.33,44.31 10.11,42.54 10.11,40.9 ; v1(72.59,64.41) 72.62,64.44 v1(72.62,65.37) ; 77.73,64.88 v1(77.73,64.63) 77.73,64.49 77.71,64.47 U2.14 ; v1(96.95,68.55) 96.03,67.63 95.04,67.63 ; R8.1 93.74,33.54 93.98,33.3 v1(93.98,32.83) 93.98,32.35 92.21,30.58 92.21,28.95 ; 87.55,33.56 87.55,34.13 v1(87.35,34.33) ; 37.49,47.82 v1(37.63,47.68) ; 37.49,47.82 37.49,47.93 ; 37.49,47.82 37.49,47.82 37.49,47.93 ; 58.45,64.11 58.45,64.78 v1(58.66,64.78) ; v1(88.52,67.63) 88.34,67.63 ; 88.34,67.63 88.19,67.63 ; 88.34,67.63 87.7,67 87.2,67 86.77,67.42 86.77,67.63 86.06,67.63 ; 21.46,43.77 21.46,43.65 21.28,43.48 21.28,43.27 v1(21.25,43.27) ; v1(88.11,19.07) 87.86,18.82 87.86,18.7 ; 22.11,48.01 22.1,48.01 21.97,47.87 v1(21.97,47.57) ; v1(24.32,46.21) 24.32,46.49 24.42,46.59 24.42,46.7 ; v1(94.94,44.31) 95.1,44.47 95.43,44.47 ; 28.76,45.56 28.29,45.56 v1(28.26,45.59) ; R157.1 v1(10.63,63.14) ; 98.5,44.24 v1(98.25,44.24) ; 25.17,55.43 25.17,55.87 24.92,56.12 v1(24.92,56.84) ; v1(63.24,62.53) 63.24,62.66 63.15,62.76 63.15,61.21 ; 27.96,37.87 27.96,37.43 28.14,37.25 28.92,37.25 29.48,37.81 29.48,37.87 30.17,37.87 30.48,37.56 30.59,37.56 30.66,37.49 31.17,37.49 31.55,37.87 31.57,37.87 31.57,37.84 v1(31.77,37.63)
  BOTTOM w0.305: v1(36.03,66.07) 36.05,66.09 36.05,66.2 ; 35.29,66.2 35.29,66.09 v1(35.27,66.07) ; 35.87,49.32 35.99,49.32 v1(36.03,49.28) ; 36.04,47.77 36.04,47.69 v1(36.03,47.68) ; 36.86,48.59 36.86,48.5 v1(36.83,48.48)
  BOTTOM w0.381: v1(98.25,44.24) 98.25,44.87 98.8,45.43 98.8,46.23 99.64,47.07 99.64,48.2 99.01,48.84 97.23,48.84 96.87,49.2 D50.1 D51.1 ; v1(99.95,11.37) v1(99.95,9.01)
  vias: v1(26.05,53.63) v1(32.03,70.86) v1(32.03,70.35) v1(55.22,31.46) v1(56.34,31.41) v1(56.87,31.97) v1(56.82,31.41) v1(57.38,31.97) v1(58.29,73.5) v1(58.77,73.5) v1(63.19,31.87) v1(63.19,31.41) v1(63.75,31.87) v1(63.73,31.41) v1(64.54,25.32) v1(64.62,25.77) v1(64.97,31.77) v1(65.12,25.8) v1(65.1,25.32) v1(82.37,68.6) v1(82.4,68.09) v1(89.02,71.29) v1(89.56,71.26) v1(93.22,18.74) v1(100.28,69.97) v1(100.25,69.41)
